# Altium PCB 10515.0461_全联供输出板(2拼版)_V1.0.PcbDoc (part 2 of 9)
Units mm, origin at the board's own origin, x right, y up, seen from the top; angles counter-clockwise.
Board outline 283.88 x 134.8 mm, 2 copper layers (Top Layer, Bottom Layer); 298 components, 0 nets, 1264 pads, 970 vias.
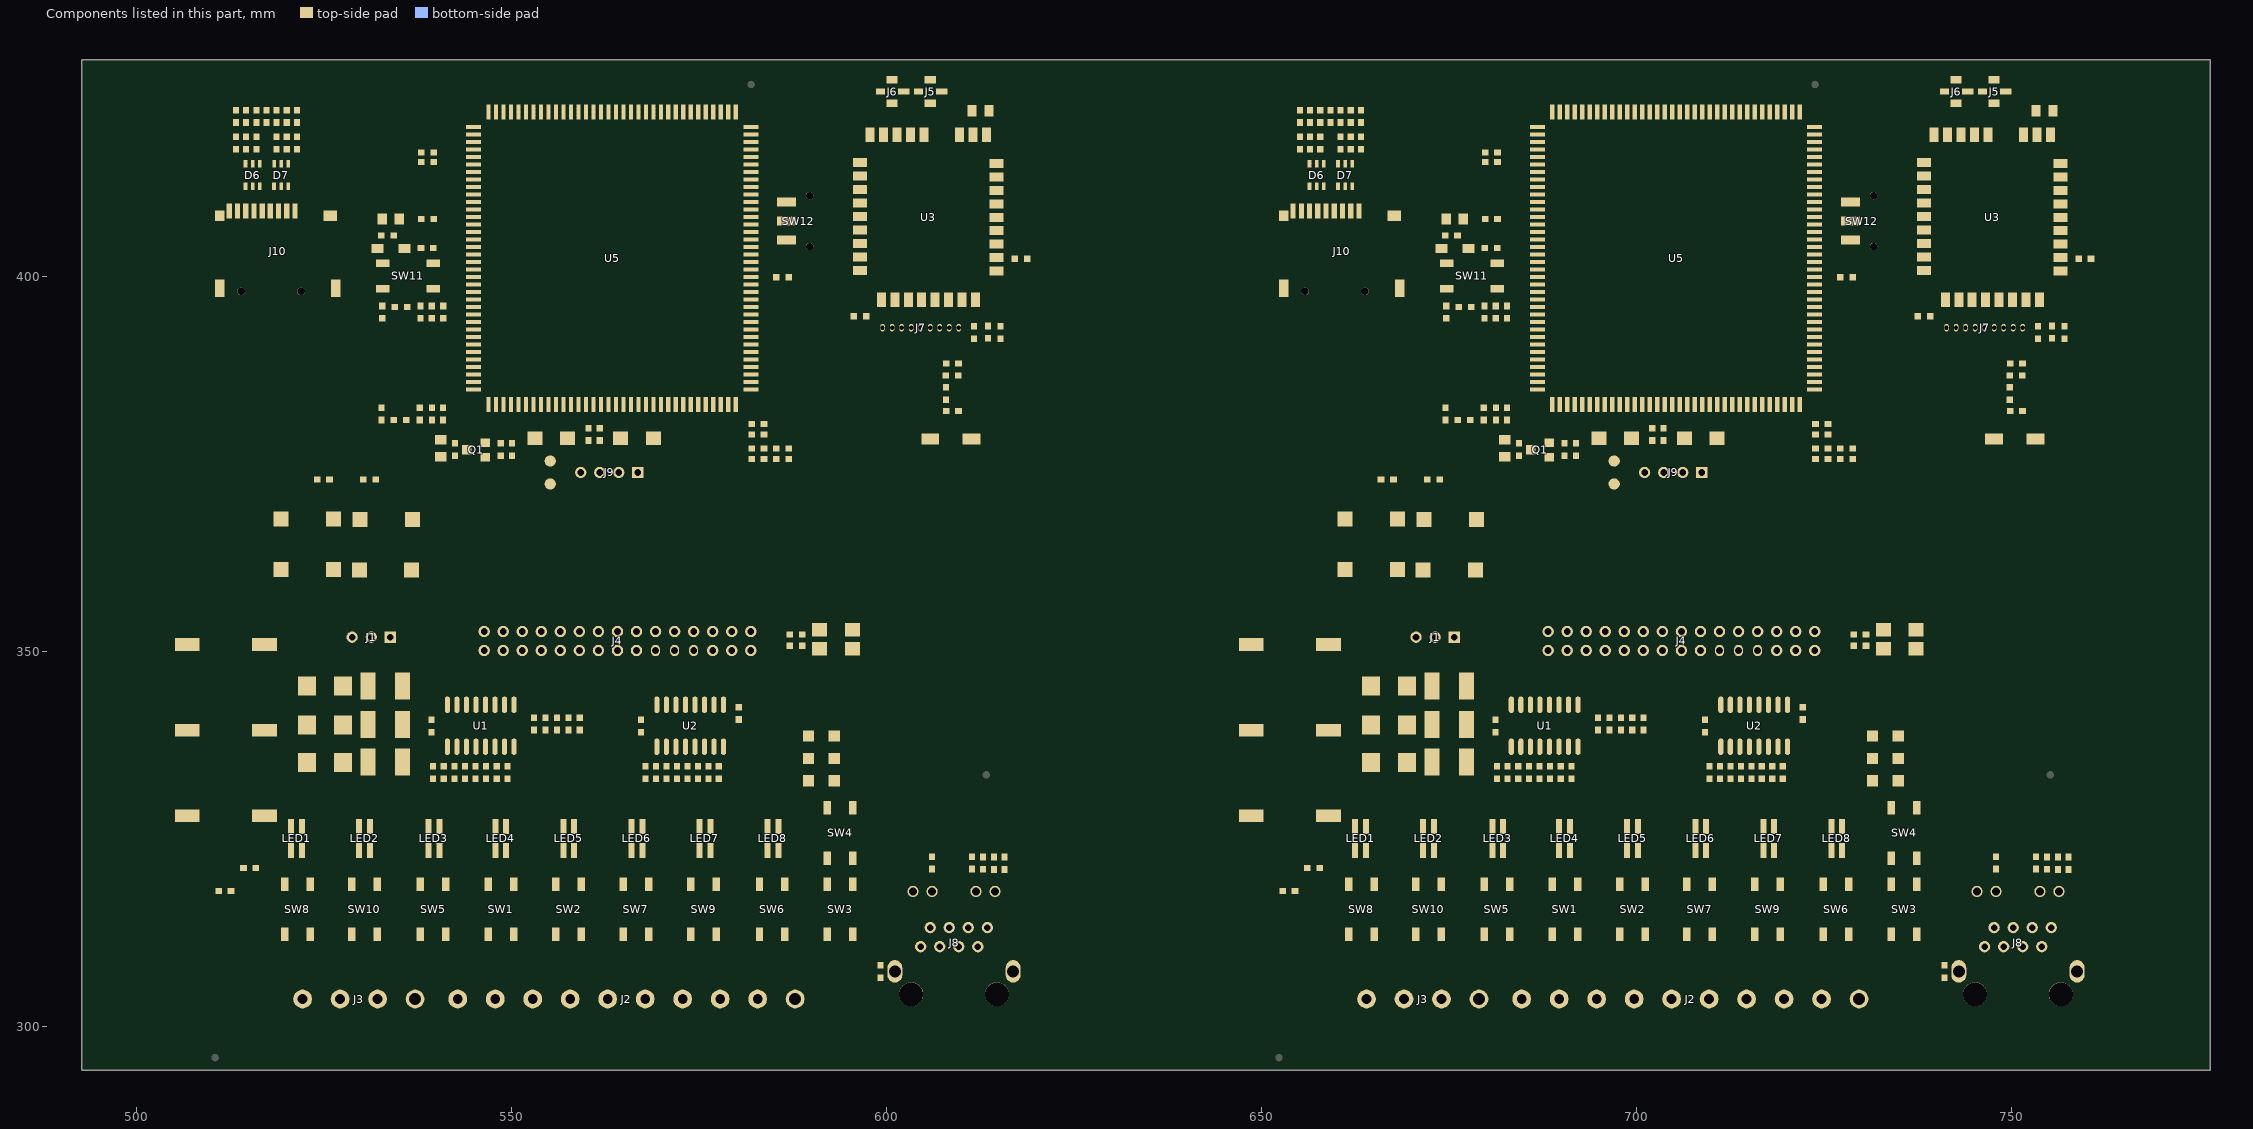
[diagram p2: the components of this part, seen from the top]

## Via types
v1: diameter 0.7, hole 0.4, Top Layer to Bottom Layer, tented both sides, 970 vias

## Nets (pads, with @x,y where several pads share a name; then routed paths per layer and width w, separated by ;. In a path a pad name is that pad's centre, name@x,y a point inside that pad or via, vN(x,y) a via of type N, cw(c..) or ccw(c..) an arc to the next point about the centre after c; other vN are vias at no path point) (continued)
copper on no net: (continued)
  Top Layer w0.3: 512.154,409.49 ccw(c511.813,409.831) 512.296,409.831 ccw(c512.779,409.831) 512.437,409.49 ; 512.296,408.698 512.296,414.58 512.699,414.983 514.482,414.983 v1@514.482,415.867 ; 513.026,418.822 ccw(c512.588,419.26) 513.207,419.26 ccw(c513.826,419.26) 513.388,418.822 ; 513.026,420.288 cw(c512.588,419.85) 513.207,419.85 cw(c513.826,419.85) 513.388,420.288 ; 513.026,422.378 ccw(c512.588,422.816) 513.207,422.816 ccw(c513.826,422.816) 513.388,422.378 ; v1@513.066,419.414 cw(c512.724,419.072) 513.207,419.072 cw(c513.69,419.072) v1@513.348,419.414 ; v1@513.066,419.696 ccw(c512.724,420.038) 513.207,420.038 ccw(c513.69,420.038) v1@513.348,419.696 ; 513.207,416.952 515.916,416.952 518.626,416.952 521.335,416.952 521.525,416.952 521.97,416.507 v1(521.97,410.538) ; 513.207,418.603 513.207,420.508 ; 513.207,422.159 513.207,425.143 v1(513.461,425.397) ; 513.207,424.301 cw(c514.557,424.301) v1@513.602,425.256 ; 513.207,425.025 cw(c513.833,425.025) v1@513.39,425.468 ; 513.258,409.49 ccw(c512.917,409.831) 513.4,409.831 ccw(c513.882,409.831) 513.541,409.49 ; 513.388,416.77 cw(c513.826,416.332) 513.826,416.952 cw(c513.826,417.571) 513.388,417.133 ; 513.4,408.698 513.4,413.398 513.842,413.84 516.128,413.84 516.382,414.094 516.382,414.983 v1@516.382,415.872 ; v1@514.209,412.81 cw(c513.561,412.162) 514.477,412.162 ; v1@514.214,415.726 cw(c513.566,415.078) 514.482,415.078 ; 514.356,409.49 ccw(c514.015,409.831) 514.498,409.831 ccw(c514.98,409.831) 514.639,409.49 ; 514.38,416.77 ccw(c513.943,416.332) 513.943,416.952 ccw(c513.943,417.571) 514.38,417.133 ; 514.38,418.822 ccw(c513.943,419.26) 514.562,419.26 ccw(c515.181,419.26) 514.743,418.822 ; 514.38,420.288 cw(c513.943,419.85) 514.562,419.85 cw(c515.181,419.85) 514.743,420.288 ; 514.38,422.378 ccw(c513.84,422.918) 514.604,422.918 ; 514.406,411.662 cw(c514.186,411.442) 514.498,411.442 ; v1@514.42,419.414 cw(c514.079,419.072) 514.562,419.072 cw(c515.045,419.072) v1@514.703,419.414 ; v1@514.42,419.696 ccw(c514.079,420.038) 514.562,420.038 ccw(c515.045,420.038) v1@514.703,419.696 ; 514.477,411.983 v1@514.477,412.951 ; 514.498,408.698 514.498,411.835 ; 514.562,418.603 514.562,420.508 ; 514.604,422.201 514.604,423.407 514.604,426.286 515.196,426.878 562.272,426.878 v1(562.737,426.413) ; 514.604,422.713 ccw(c515.078,422.713) 514.743,422.378 ; 514.743,416.77 cw(c515.181,416.332) 515.181,416.952 cw(c515.181,417.571) 514.743,417.133 ; v1@514.971,406.742 ccw(c513.465,408.248) 515.594,408.248 ; v1@515.183,406.53 ccw(c514.19,407.523) 515.594,407.523 ; v1@515.186,415.726 cw(c514.591,415.131) 515.432,415.131 ; 515.395,406.318 ccw(c514.914,406.799) 515.594,406.799 ; 515.432,411.983 515.432,410.853 515.681,410.604 ; 515.432,414.983 v1@515.432,415.811 ; 515.453,407.907 cw(c515.111,407.565) 515.594,407.565 cw(c516.077,407.565) 515.736,407.907 ; 515.594,406.601 515.594,408.698 515.594,409.548 ; 515.735,416.77 ccw(c515.297,416.332) 515.297,416.952 ccw(c515.297,417.571) 515.735,417.133 ; 515.735,418.822 ccw(c515.297,419.26) 515.916,419.26 ccw(c516.535,419.26) 516.098,418.822 ; 515.735,420.288 cw(c515.297,419.85) 515.916,419.85 cw(c516.535,419.85) 516.098,420.288 ; 515.735,422.378 ccw(c515.297,422.816) 515.916,422.816 ccw(c516.535,422.816) 516.098,422.378 ; v1@515.775,419.414 cw(c515.433,419.072) 515.916,419.072 cw(c516.399,419.072) v1@516.058,419.414 ; v1@515.775,419.696 ccw(c515.433,420.038) 515.916,420.038 ccw(c516.399,420.038) v1@516.058,419.696 ; v1@515.904,410.489 ccw(c515.681,410.332) 515.681,410.604 ; v1@515.904,410.719 cw(c515.681,410.876) 515.681,410.604 ; 515.916,418.603 515.916,420.508 ; 515.916,422.159 515.916,425.947 516.293,426.324 561.556,426.324 562.865,425.015 562.865,421.91 ; v1@515.94,410.604 515.681,410.604 ; 516.098,416.77 cw(c516.535,416.332) 516.535,416.952 cw(c516.535,417.571) 516.098,417.133 ; v1@516.158,415.726 cw(c515.616,415.184) 516.382,415.184 ; 516.382,411.983 516.946,411.983 ; 516.551,409.49 ccw(c515.596,410.444) 516.946,410.444 ; 516.763,409.277 ccw(c516.321,409.72) 516.946,409.72 ; 516.946,408.698 516.946,411.983 ; 517.09,420.288 cw(c516.652,419.85) 517.271,419.85 cw(c517.89,419.85) 517.452,420.288 ; 517.09,422.378 ccw(c516.652,422.816) 517.271,422.816 ccw(c517.89,422.816) 517.452,422.378 ; v1@517.13,415.726 cw(c516.788,415.384) 517.271,415.384 cw(c517.754,415.384) v1@517.412,415.726 ; v1@517.13,418.045 ccw(c516.788,418.387) 517.271,418.387 ccw(c517.754,418.387) v1@517.412,418.045 ; v1(517.144,425.397) 517.517,425.77 560.713,425.77 561.865,424.618 561.865,421.91 ; v1@517.144,425.597 ccw(c517.144,426.08) 517.485,425.738 ccw(c517.827,425.397) v1@517.344,425.397 ; v1@517.271,415.872 517.271,412.308 516.946,411.983 ; v1(517.271,417.904) 517.271,420.508 ; 517.271,422.159 517.271,423.492 518.033,424.254 559.484,424.254 559.865,423.873 559.865,421.91 ; 517.652,408.837 v1@517.652,410.538 ; 517.652,409.815 cw(c518.568,409.815) v1@517.92,410.463 ; 517.652,410.167 ccw(c518.61,410.167) 517.933,409.49 ; v1@518.146,413.699 cw(c517.804,413.357) 518.287,413.357 cw(c518.77,413.357) v1@518.428,413.699 ; 518.216,411.662 cw(c517.432,410.878) 518.541,410.878 ; v1(518.287,413.84) 518.287,411.983 518.541,411.729 518.541,410.157 518.891,409.807 ; 518.428,411.874 cw(c518.157,411.603) 518.541,411.603 ; 518.444,416.77 ccw(c518.007,416.332) 518.007,416.952 ccw(c518.007,417.571) 518.444,417.133 ; 518.444,418.822 ccw(c518.007,419.26) 518.626,419.26 ccw(c519.245,419.26) 518.807,418.822 ; 518.444,420.288 cw(c518.007,419.85) 518.626,419.85 cw(c519.245,419.85) 518.807,420.288 ; 518.444,422.378 ccw(c518.007,422.816) 518.626,422.816 ccw(c519.245,422.816) 518.807,422.378 ; v1@518.484,419.414 cw(c518.143,419.072) 518.626,419.072 cw(c519.109,419.072) v1@518.767,419.414 ; v1@518.484,419.696 ccw(c518.143,420.038) 518.626,420.038 ccw(c519.109,420.038) v1@518.767,419.696 ; v1@518.484,423.266 cw(c518.143,422.924) 518.626,422.924 cw(c519.109,422.924) v1@518.767,423.266 ; 518.626,418.603 518.626,420.508 ; 518.626,422.159 v1(518.626,423.407) ; 518.754,409.495 ccw(c518.463,409.807) 518.891,409.807 ; 518.774,409.924 cw(c518.246,409.397) 518.99,409.341 ; 518.807,416.77 cw(c519.245,416.332) 519.245,416.952 cw(c519.245,417.571) 518.807,417.133 ; 518.891,408.698 518.891,409.807 ; 519.027,409.495 cw(c519.318,409.807) 518.891,409.807 ; v1@519.035,413.346 ccw(c518.534,413.847) 519.242,413.847 ; v1(519.049,425.016) 560.197,425.016 560.865,424.348 560.865,421.91 ; v1@519.19,424.875 cw(c519.532,424.533) 519.532,425.016 cw(c519.532,425.499) v1@519.19,425.157 ; v1@519.242,410.604 519.242,411.983 ; 519.242,411.168 ccw(c519.933,411.168) v1@519.444,410.679 ; v1@519.242,413.271 519.242,414.983 ; 519.799,416.77 ccw(c519.361,416.332) 519.361,416.952 ccw(c519.361,417.571) 519.799,417.133 ; 519.799,418.822 ccw(c519.361,419.26) 519.98,419.26 ccw(c520.599,419.26) 520.162,418.822 ; 519.799,420.288 cw(c519.361,419.85) 519.98,419.85 cw(c520.599,419.85) 520.162,420.288 ; 519.799,422.378 ccw(c519.361,422.816) 519.98,422.816 ccw(c520.599,422.816) 520.162,422.378 ; v1@519.839,419.414 cw(c519.497,419.072) 519.98,419.072 cw(c520.463,419.072) v1@520.122,419.414 ; v1@519.839,419.696 ccw(c519.497,420.038) 519.98,420.038 ccw(c520.463,420.038) v1@520.122,419.696 ; v1@519.839,423.308 cw(c519.497,422.967) 519.98,422.967 cw(c520.463,422.967) v1@520.122,423.308 ; 519.846,409.488 ccw(c519.009,410.324) 520.192,410.324 ; 519.98,418.603 519.98,420.508 ; 519.98,422.159 v1(519.98,423.45) ; 519.987,408.696 519.987,409.444 520.192,409.649 520.192,411.983 v1(520.192,413.586) ; v1@520.051,413.445 cw(c519.709,413.103) 520.192,413.103 cw(c520.675,413.103) v1@520.333,413.445 ; v1@520.051,415.731 cw(c519.709,415.389) 520.192,415.389 cw(c520.675,415.389) v1@520.333,415.731 ; 520.162,416.77 cw(c520.599,416.332) 520.599,416.952 cw(c520.599,417.571) 520.162,417.133 ; 520.192,414.633 cw(c520.192,413.788) 520.789,414.386 ; v1(520.192,415.872) 520.192,414.983 521.087,414.088 521.087,408.698 ; 520.396,327.393 ccw(c519.969,327.82) 520.573,327.82 ccw(c521.177,327.82) 520.75,327.393 ; 520.573,326.235 520.573,330.782 521.265,331.474 539.172,331.474 539.496,331.798 539.496,333.005 ; v1(520.573,427.683) 520.692,427.564 562.729,427.564 563.865,426.428 563.865,421.91 ; v1@520.714,427.824 ccw(c521.343,428.453) 521.343,427.564 ; 520.945,409.49 ccw(c520.604,409.831) 521.087,409.831 ccw(c521.569,409.831) 521.228,409.49 ; 521.154,416.77 ccw(c520.716,416.332) 520.716,416.952 ccw(c520.716,417.571) 521.154,417.133 ; 521.154,418.822 ccw(c520.716,419.26) 521.335,419.26 ccw(c521.954,419.26) 521.516,418.822 ; 521.154,420.288 cw(c520.716,419.85) 521.335,419.85 cw(c521.954,419.85) 521.516,420.288 ; 521.154,422.378 ccw(c520.716,422.816) 521.335,422.816 ccw(c521.954,422.816) 521.516,422.378 ; v1@521.194,419.414 cw(c520.852,419.072) 521.335,419.072 cw(c521.818,419.072) v1@521.476,419.414 ; v1@521.194,419.696 ccw(c520.852,420.038) 521.335,420.038 ccw(c521.818,420.038) v1@521.476,419.696 ; v1@521.194,423.351 cw(c520.852,423.009) 521.335,423.009 cw(c521.818,423.009) v1@521.476,423.351 ; 521.335,418.603 521.335,420.508 ; 521.335,422.159 v1(521.335,423.492) ; v1@521.829,410.679 ccw(c521.487,411.021) 521.97,411.021 ccw(c522.453,411.021) v1@522.111,410.679 ; 521.856,327.368 ccw(c521.429,327.795) 522.033,327.795 ccw(c522.637,327.795) 522.21,327.368 ; v1(521.97,428.318) 563.499,428.318 564.865,426.952 564.865,421.91 ; 522.033,326.21 522.033,330.21 522.743,330.92 540.65,330.92 540.911,331.181 540.911,333.005 ; 523.086,312.243 v1(526.923,312.243) ; 523.333,311.995 cw(c523.931,311.398) 523.931,312.243 cw(c523.931,313.088) 523.333,312.49 ; v1@526.782,312.101 ccw(c526.44,311.76) 526.44,312.243 ccw(c526.44,312.726) v1@526.782,312.384 ; 528.125,309.192 528.633,309.7 ; 528.385,311.595 cw(c527.788,310.998) 528.633,310.998 cw(c529.478,310.998) 528.88,311.595 ; 528.385,319.59 ccw(c527.788,320.188) 528.633,320.188 ccw(c529.478,320.188) 528.88,319.59 ; v1@528.492,320.286 cw(c528.15,319.944) 528.633,319.944 cw(c529.116,319.944) v1@528.774,320.286 ; 528.633,309.26 528.633,309.7 ; 528.633,312.243 528.633,309.7 ; 528.633,318.943 v1(528.633,320.427) ; 529.082,309.251 528.633,309.7 ; 529.468,327.393 ccw(c529.041,327.82) 529.644,327.82 ccw(c530.248,327.82) 529.821,327.393 ; 529.644,326.235 529.644,329.82 530.19,330.366 542.001,330.366 542.326,330.691 542.326,333.005 ; 530.928,327.368 ccw(c530.501,327.795) 531.104,327.795 ccw(c531.708,327.795) 531.281,327.368 ; 531.104,326.21 531.104,329.248 531.668,329.812 543.352,329.812 543.741,330.201 543.741,333.005 ; 531.785,319.59 ccw(c531.188,320.188) 532.033,320.188 ccw(c532.878,320.188) 532.28,319.59 ; 532.033,318.943 532.033,321.541 532.476,321.984 550.129,321.984 550.488,322.343 550.488,334.916 551.688,336.116 561.086,336.116 561.459,336.489 561.459,346.608 561.546,346.695 561.546,350.086 ; v1(533.146,321.003) 533.573,321.43 550.358,321.43 551.042,322.114 551.042,334.2 552.069,335.227 561.467,335.227 562.013,335.773 562.013,346.378 562.864,347.229 562.864,351.404 564.086,352.626 ; v1@533.146,321.203 ccw(c533.146,321.686) 533.487,321.344 ccw(c533.829,321.003) v1@533.346,321.003 ; v1(533.4,312.243) 537.783,312.243 ; v1@533.541,312.101 cw(c533.883,311.76) 533.883,312.243 cw(c533.883,312.726) v1@533.541,312.384 ; 537.536,311.995 ccw(c536.938,311.398) 536.938,312.243 ccw(c536.938,313.088) 537.536,312.49 ; 537.689,403.938 ccw(c537.251,404.376) 537.87,404.376 ccw(c538.489,404.376) 538.052,403.938 ; 537.727,415.056 cw(c537.289,414.618) 537.909,414.618 cw(c538.528,414.618) 538.09,415.056 ; 537.727,415.418 ccw(c537.289,415.856) 537.909,415.856 ccw(c538.528,415.856) 538.09,415.418 ; 537.727,416.326 cw(c537.289,415.888) 537.909,415.888 cw(c538.528,415.888) 538.09,416.326 ; 537.783,319.544 539.115,320.876 550.672,320.876 551.596,321.8 551.596,333.484 552.577,334.465 561.848,334.465 562.567,335.184 562.567,346.149 564.086,347.668 564.086,350.086 ; 537.783,319.693 ccw(c537.783,320.051) 538.037,319.798 ; 537.87,403.757 537.87,405.61 538.17,405.91 544.865,405.91 ; 537.909,416.507 537.909,414.158 538.226,413.84 540.766,413.84 541.836,414.91 544.865,414.91 546.427,414.91 546.735,414.602 546.735,385.91 ; 538.133,319.343 cw(c539.465,319.343) 538.523,320.284 ; 538.716,326.616 538.716,328.859 539.115,329.258 544.703,329.258 545.157,329.712 545.157,333.005 ; 538.716,328.17 ccw(c539.815,328.17) 539.038,327.393 ; 539.315,332.785 cw(c538.877,332.347) 539.496,332.347 cw(c540.115,332.347) 539.677,332.785 ; 539.336,334.894 ccw(c539.069,335.227) 539.496,335.227 ; 539.34,403.938 ccw(c538.902,404.376) 539.521,404.376 ccw(c540.14,404.376) 539.703,403.938 ; 539.452,334.694 cw(c540.635,334.694) 539.799,335.53 ; 539.496,334.656 539.496,335.227 ; 539.521,403.757 539.521,404.467 539.964,404.91 544.865,404.91 546.648,404.91 ; 539.559,407.617 540.267,406.91 544.865,406.91 ; 539.559,415.237 540.639,415.237 541.312,415.91 544.865,415.91 ; 539.559,416.507 539.962,416.91 544.865,416.91 ; 539.567,416.538 cw(c540.465,415.639) 540.465,416.91 ; 539.598,407.361 cw(c539.598,406.834) 539.97,407.206 ; 539.656,334.894 cw(c539.923,335.227) 539.496,335.227 ; 539.752,334.694 cw(c541.659,334.694) 540.311,336.042 ; 539.779,415.056 cw(c540.217,414.618) 540.217,415.237 cw(c540.217,415.856) 539.779,415.418 ; 539.779,416.326 cw(c541.19,414.915) 541.19,416.91 ; 539.854,407.617 ccw(c540.565,407.617) 540.062,407.114 ; 540.176,326.591 540.176,328.287 540.512,328.623 546.1,328.623 546.572,329.095 546.572,333.005 ; 540.176,328.145 ccw(c541.275,328.145) 540.498,327.368 ; 540.73,332.785 cw(c540.292,332.347) 540.911,332.347 cw(c541.53,332.347) 541.092,332.785 ; 540.73,334.875 ccw(c539.11,336.495) 541.401,336.495 ; 540.911,334.656 541.401,335.145 ; 540.916,334.95 ccw(c540.929,335.617) 541.401,335.145 ; 540.942,334.663 ccw(c539.834,335.771) 541.401,335.771 ; 541.154,334.451 ccw(c540.558,335.047) 541.401,335.047 ; 541.168,334.694 cw(c541.695,334.694) 541.322,335.066 ; 541.183,312.243 546.832,312.243 ; 541.26,336.368 cw(c540.918,336.026) 541.401,336.026 cw(c541.884,336.026) 541.542,336.368 ; 541.401,337.259 541.401,335.145 ; 541.431,311.995 cw(c542.028,311.398) 542.028,312.243 cw(c542.028,313.088) 541.431,312.49 ; 542.145,332.785 cw(c541.707,332.347) 542.326,332.347 cw(c542.945,332.347) 542.508,332.785 ; 542.145,334.875 ccw(c540.875,336.145) 542.671,336.145 ; 542.326,334.656 542.671,335 542.671,337.259 ; 542.357,334.663 ccw(c541.599,335.421) 542.671,335.421 ; 542.53,336.368 cw(c542.188,336.026) 542.671,336.026 cw(c543.154,336.026) 542.812,336.368 ; 542.53,341.956 cw(c542.188,341.614) 542.671,341.614 cw(c543.154,341.614) 542.812,341.956 ; 542.671,342.847 542.671,340.561 540.385,338.275 540.385,336.116 539.496,335.227 ; 543.56,332.785 cw(c543.122,332.347) 543.741,332.347 cw(c544.36,332.347) 543.923,332.785 ; 543.56,334.875 ccw(c542.641,335.794) 543.941,335.794 ; 543.772,334.663 ccw(c543.365,335.07) 543.941,335.07 ; 543.8,336.368 cw(c543.458,336.026) 543.941,336.026 cw(c544.424,336.026) 544.082,336.368 ; 543.941,334.855 543.941,337.259 ; 544.052,404.822 ccw(c543.838,404.608) 543.838,404.91 ccw(c543.838,405.212) 544.052,404.998 ; 544.052,405.822 ccw(c543.838,405.608) 543.838,405.91 ccw(c543.838,406.212) 544.052,405.998 ; 544.052,406.822 ccw(c543.838,406.608) 543.838,406.91 ccw(c543.838,407.212) 544.052,406.998 ; 544.052,414.822 ccw(c543.838,414.608) 543.838,414.91 ccw(c543.838,415.212) 544.052,414.998 ; 544.052,415.822 ccw(c543.838,415.608) 543.838,415.91 ccw(c543.838,416.212) 544.052,415.998 ; 544.052,416.822 ccw(c543.838,416.608) 543.838,416.91 ccw(c543.838,417.212) 544.052,416.998 ; v1@544.576,382.471 544.576,383.36 ; 544.576,383.233 544.576,383.36 ; 544.576,383.911 cw(c545.864,383.911) 544.953,384.822 ccw(c545.167,384.608) 544.865,384.608 ccw(c544.563,384.608) 544.777,384.822 ; 544.576,384.635 cw(c545.14,384.635) 544.741,385.034 ; 544.636,384.69 cw(c544.865,384.461) 544.865,384.785 ; v1@544.647,382.527 ccw(c544.12,383.054) 544.865,383.054 ; 544.658,384.712 ccw(c544.46,384.91) 544.74,384.91 ; v1@544.703,382.471 544.865,382.633 544.865,384.91 ; v1@544.717,382.739 cw(c545.059,383.081) 544.576,383.081 cw(c544.093,383.081) 544.435,382.739 ccw(c543.395,383.779) 544.865,383.779 ; 544.865,385.91 546.735,385.91 ; 544.865,388.91 546.697,388.91 ; 544.865,391.91 546.694,391.91 ; 544.865,394.91 546.728,394.91 ; 544.865,397.91 546.663,397.91 ; 544.975,332.785 cw(c544.538,332.347) 545.157,332.347 cw(c545.776,332.347) 545.338,332.785 ; 544.975,334.875 ccw(c544.406,335.444) 545.211,335.444 ; 545.07,336.368 cw(c544.728,336.026) 545.211,336.026 cw(c545.694,336.026) 545.352,336.368 ; 545.211,334.71 545.211,337.259 ; 545.211,335.181 ccw(c545.644,335.181) 545.338,334.875 ; 545.678,384.822 cw(c545.892,384.608) 545.892,384.91 cw(c545.892,385.212) 545.678,384.998 ; 545.678,385.822 cw(c545.892,385.608) 545.892,385.91 cw(c545.892,386.212) 545.678,385.998 ; 545.678,388.822 cw(c545.892,388.608) 545.892,388.91 cw(c545.892,389.212) 545.678,388.998 ; 545.678,391.822 cw(c545.892,391.608) 545.892,391.91 cw(c545.892,392.212) 545.678,391.998 ; 545.678,394.822 cw(c545.892,394.608) 545.892,394.91 cw(c545.892,395.212) 545.678,394.998 ; 545.678,397.822 cw(c545.892,397.608) 545.892,397.91 cw(c545.892,398.212) 545.678,397.998 ; 545.678,404.822 cw(c545.892,404.608) 545.892,404.91 cw(c545.892,405.212) 545.678,404.998 ; 545.678,414.822 cw(c545.892,414.608) 545.892,414.91 cw(c545.892,415.212) 545.678,414.998 ; 546.34,336.368 cw(c545.998,336.026) 546.481,336.026 cw(c546.964,336.026) 546.622,336.368 ; 546.34,343.738 ccw(c545.998,344.08) 546.481,344.08 ccw(c546.964,344.08) 546.622,343.738 ; v1@546.34,344.23 cw(c545.998,343.888) 546.481,343.888 cw(c546.964,343.888) v1@546.622,344.23 ; 546.354,380.82 546.862,381.328 546.862,381.455 ; 546.39,332.785 cw(c545.953,332.347) 546.572,332.347 cw(c547.191,332.347) 546.753,332.785 ; 546.39,334.875 ccw(c546.172,335.094) 546.481,335.094 ; 546.481,334.746 546.481,337.259 ; 546.481,335.532 ccw(c547.41,335.532) 546.753,334.875 ; 546.481,342.847 v1(546.481,344.371) ; 546.585,311.995 ccw(c545.987,311.398) 545.987,312.243 ccw(c545.987,313.088) 546.585,312.49 ; 546.777,382.097 cw(c546.57,381.89) 546.862,381.89 ; 546.832,318.943 546.832,319.322 547.832,320.322 551.007,320.322 552.15,321.465 552.15,333.149 552.577,333.576 556.26,333.576 561.975,333.576 563.121,334.722 563.121,345.919 565.252,348.05 565.252,351.252 566.626,352.626 ; 546.832,319.693 ccw(c546.832,320.588) 547.465,319.955 ; 546.862,381.201 546.862,381.455 ; 546.862,381.876 cw(c547.174,381.876) 546.953,382.097 ; 546.865,382.91 546.862,382.907 546.862,381.455 ; 546.875,381.214 547.865,381.214 ; 547.182,319.343 cw(c547.977,319.343) 547.415,319.905 ; 547.611,327.393 ccw(c546.702,328.301) 547.987,328.301 ; 547.61,336.368 cw(c547.268,336.026) 547.751,336.026 cw(c548.234,336.026) 547.892,336.368 ; 547.61,343.738 ccw(c547.268,344.08) 547.751,344.08 ccw(c548.234,344.08) 547.892,343.738 ; 547.751,334.891 547.751,337.259 ; 547.751,335.158 ccw(c548.451,335.158) 547.956,334.663 ; 547.751,335.882 ccw(c549.175,335.882) 548.168,334.875 ; 547.751,342.847 547.751,344.752 v1(548.259,345.26) ; 547.787,327.317 547.787,326.616 547.987,326.816 547.987,333.005 ; 547.806,332.785 cw(c547.368,332.347) 547.987,332.347 cw(c548.606,332.347) 548.168,332.785 ; 547.823,327.181 ccw(c547.426,327.577) 547.987,327.577 ; 547.865,380.82 547.963,380.722 548.865,380.722 548.865,382.91 ; v1@548.059,345.26 cw(c547.576,345.26) 547.918,344.919 cw(c548.259,344.577) v1@548.259,345.06 ; v1@548.626,385.769 ccw(c548.284,385.427) 548.284,385.91 ccw(c548.284,386.393) v1@548.626,386.051 ; 548.777,382.097 cw(c548.563,381.883) 548.865,381.883 cw(c549.167,381.883) 548.953,382.097 ; 548.88,336.368 cw(c548.538,336.026) 549.021,336.026 cw(c549.504,336.026) 549.162,336.368 ; v1@548.908,385.769 cw(c549.25,385.427) 549.25,385.91 cw(c549.25,386.393) v1@548.908,386.051 ; 549.021,335.036 549.021,337.259 ; 549.021,335.508 ccw(c550.217,335.508) 549.371,334.663 ; 549.021,336.232 ccw(c550.941,336.232) 549.583,334.875 ; 549.071,327.368 ccw(c548.27,328.168) 549.402,328.168 ; 549.221,332.785 cw(c548.783,332.347) 549.402,332.347 cw(c550.021,332.347) 549.583,332.785 ; 549.247,327.254 549.247,326.591 549.402,326.746 549.402,333.005 ; 550.232,312.243 555.881,312.243 555.881,311.73 ; 550.232,318.531 552.704,321.003 552.704,332.433 553.085,332.814 562.483,332.814 563.675,334.006 563.675,345.69 566.626,348.641 566.626,350.086 ; 550.48,311.995 cw(c551.077,311.398) 551.077,312.243 cw(c551.077,313.088) 550.48,312.49 ; v1@551.547,313.143 ccw(c551.205,313.485) 551.688,313.485 ccw(c552.171,313.485) v1@551.829,313.143 ; v1(551.688,313.002) 551.688,319.204 553.258,320.774 553.258,331.463 553.855,332.06 563.126,332.06 564.229,333.163 564.229,345.461 567.817,349.049 567.817,353.515 567.428,353.904 562.618,353.904 ; v1@552.436,313.651 ccw(c552.094,313.993) 552.577,313.993 ccw(c553.06,313.993) v1@552.718,313.651 ; v1@552.577,313.637 552.577,319.309 553.863,320.595 553.863,330.925 554.444,331.506 563.588,331.506 564.783,332.701 564.783,345.231 567.398,347.846 571.292,347.846 571.706,348.26 571.706,350.086 ; 552.777,339.262 cw(c552.339,338.824) 552.958,338.824 cw(c553.577,338.824) 553.139,339.262 ; 552.958,336.116 552.958,339.482 ; 553.06,378.407 553.06,378.661 ; v1@553.452,313.143 ccw(c553.11,313.485) 553.593,313.485 ccw(c554.076,313.485) v1@553.734,313.143 ; v1@553.452,385.769 ccw(c553.11,385.427) 553.11,385.91 ccw(c553.11,386.393) v1@553.452,386.051 ; v1(553.593,313.002) 553.593,319.542 554.482,320.431 554.482,330.346 555.088,330.952 564.05,330.952 565.337,332.239 565.337,345.002 567.627,347.292 577.469,347.292 578.104,347.927 578.104,351.308 576.786,352.626 ; v1@553.734,385.769 cw(c554.076,385.427) 554.076,385.91 cw(c554.076,386.393) v1@553.734,386.051 ; 554.301,339.262 cw(c553.863,338.824) 554.482,338.824 cw(c555.101,338.824) 554.663,339.262 ; v1@554.341,313.651 ccw(c553.999,313.993) 554.482,313.993 ccw(c554.965,313.993) v1@554.623,313.651 ; v1@554.341,335.086 ccw(c553.999,334.744) 553.999,335.227 ccw(c553.999,335.71) v1@554.341,335.368 ; v1@554.341,338.416 ccw(c553.999,338.758) 554.482,338.758 ccw(c554.965,338.758) v1@554.623,338.416 ; v1@554.482,313.637 554.482,319.606 555.102,320.226 555.102,329.57 555.93,330.398 564.893,330.398 565.891,331.396 565.891,344.772 567.857,346.738 578.439,346.738 579.326,347.625 579.326,350.086 ; v1(554.482,338.275) 554.482,339.482 ; v1@554.623,335.086 cw(c554.965,334.744) 554.965,335.227 cw(c554.965,335.71) v1@554.623,335.368 ; 555.117,372.438 561.467,372.438 561.721,372.692 ; 555.117,375.359 556.895,375.359 557.428,375.892 557.428,378.09 ; 555.329,372.099 cw(c556.148,371.28) 556.148,372.438 ; 555.541,371.887 cw(c556.872,370.556) 556.872,372.438 ; 555.541,372.735 ccw(c556.259,373.453) 556.259,372.438 ; 555.541,374.935 cw(c556.566,373.91) 556.566,375.359 cw(c556.566,376.808) 555.541,375.783 ; 555.633,311.995 ccw(c555.036,311.398) 555.036,312.243 ccw(c555.036,313.088) 555.633,312.49 ; 555.825,339.262 cw(c555.387,338.824) 556.006,338.824 cw(c556.625,338.824) 556.187,339.262 ; v1@555.865,334.324 ccw(c555.523,333.982) 555.523,334.465 ccw(c555.523,334.948) v1@555.865,334.606 ; v1@555.865,338.416 ccw(c555.523,338.758) 556.006,338.758 ccw(c556.489,338.758) v1@556.147,338.416 ; 555.881,318.943 555.881,319.35 ; v1(556.006,338.275) 556.006,339.482 ; v1@556.147,334.324 cw(c556.489,333.982) 556.489,334.465 cw(c556.489,334.948) v1@556.147,334.606 ; 556.466,352.626 559.006,352.626 ; 556.682,327.393 ccw(c556.255,327.82) 556.859,327.82 ccw(c557.462,327.82) 557.035,327.393 ; 556.725,385.91 ccw(c556.725,386.489) v1@557.135,386.08 ; 556.859,326.235 556.859,326.616 556.859,329.603 557.1,329.844 566.879,329.844 567.817,330.782 567.817,333.005 ; 556.861,385.91 cw(c556.861,385.523) v1@557.135,385.797 ; v1(556.895,314.272) 558.8,314.272 ; 556.898,377.877 cw(c555.617,376.596) 557.428,376.596 cw(c559.239,376.596) 557.958,377.877 ; 556.899,352.193 cw(c557.943,351.149) 557.943,352.626 cw(c557.943,354.104) 556.899,353.059 ; v1@557.036,314.131 cw(c557.378,313.789) 557.378,314.272 cw(c557.378,314.755) v1@557.036,314.413 ; 557.11,378.089 cw(c556.342,377.321) 557.428,377.321 cw(c558.514,377.321) 557.746,378.089 ; 557.349,339.262 cw(c556.911,338.824) 557.53,338.824 cw(c558.149,338.824) 557.711,339.262 ; v1@557.389,333.435 ccw(c557.047,333.093) 557.047,333.576 ccw(c557.047,334.059) v1@557.389,333.717 ; v1@557.389,338.416 ccw(c557.047,338.758) 557.53,338.758 ccw(c558.013,338.758) v1@557.671,338.416 ; v1@557.417,385.797 cw(c557.691,385.523) 557.691,385.91 ; v1@557.417,386.08 ccw(c557.827,386.489) 557.827,385.91 ; v1(557.53,338.275) 557.53,339.482 ; v1@557.671,333.435 cw(c558.013,333.093) 558.013,333.576 cw(c558.013,334.059) v1@557.671,333.717 ; 558.142,327.368 ccw(c557.715,327.795) 558.319,327.795 ccw(c558.922,327.795) 558.495,327.368 ; 558.319,326.21 558.319,326.591 558.319,329.071 558.538,329.29 568.484,329.29 569.214,330.02 569.214,333.005 ; 558.573,352.193 ccw(c557.528,351.149) 557.528,352.626 ccw(c557.528,354.104) 558.573,353.059 ; 558.777,421.097 cw(c558.563,420.883) 558.865,420.883 cw(c559.167,420.883) 558.953,421.097 ; 558.865,421.91 558.865,418.347 559.302,417.91 577.865,417.91 ; 558.873,339.262 cw(c558.435,338.824) 559.054,338.824 cw(c559.673,338.824) 559.235,339.262 ; v1@558.913,332.673 ccw(c558.571,332.331) 558.571,332.814 ccw(c558.571,333.297) v1@558.913,332.955 ; v1@558.913,338.416 ccw(c558.571,338.758) 559.054,338.758 ccw(c559.537,338.758) v1@559.195,338.416 ; v1(559.054,338.275) 559.054,339.482 ; v1@559.195,332.673 cw(c559.537,332.331) 559.537,332.814 cw(c559.537,333.297) v1@559.195,332.955 ; 559.281,313.891 558.9,314.272 ; 559.281,314.272 558.8,314.272 ; 559.281,314.653 558.9,314.272 ; 559.281,318.943 559.281,319.325 560.36,320.404 572.861,320.404 573.877,319.388 573.877,318.943 ; 559.281,319.693 ccw(c559.281,320.581) 559.909,319.953 ; 559.631,319.343 cw(c560.432,319.343) 559.866,319.91 ; 559.777,383.723 ccw(c559.563,383.937) 559.865,383.937 ccw(c560.167,383.937) 559.953,383.723 ; 559.777,422.723 ccw(c559.563,422.937) 559.865,422.937 ccw(c560.167,422.937) 559.953,422.723 ; 559.79,384.91 544.865,384.91 ; 559.865,382.91 559.865,385.861 ; 560.016,377.87 cw(c559.578,377.432) 560.197,377.432 cw(c560.816,377.432) 560.378,377.87 ; 560.197,375.994 560.197,378.09 ; 560.197,379.741 560.865,380.409 560.865,382.91 ; 560.197,380.035 ccw(c560.197,380.746) 560.7,380.243 ; 560.453,379.779 cw(c560.98,379.779) 560.608,380.151 ; 560.777,382.097 cw(c560.563,381.883) 560.865,381.883 cw(c561.167,381.883) 560.953,382.097 ; 560.777,422.723 ccw(c560.563,422.937) 560.865,422.937 ccw(c561.167,422.937) 560.953,422.723 ; 561.113,349.653 cw(c560.068,348.609) 561.546,348.609 cw(c563.023,348.609) 561.979,349.653 ; 561.38,373.341 cw(c560.932,372.692) 561.721,372.692 ; 561.54,377.87 cw(c561.102,377.432) 561.721,377.432 cw(c562.34,377.432) 561.902,377.87 ; 561.54,379.96 ccw(c560.754,380.745) 561.865,380.745 ; 561.546,352.626 561.546,352.832 562.618,353.904 ; 561.546,353.238 ccw(c561.546,354.218) 562.239,353.525 ; 561.777,382.097 cw(c561.563,381.883) 561.865,381.883 cw(c562.167,381.883) 561.953,382.097 ; 561.777,422.723 ccw(c561.563,422.937) 561.865,422.937 ccw(c562.167,422.937) 561.953,422.723 ; 561.813,378.09 ccw(c561.813,380.984) 563.86,378.937 ; 561.857,352.648 cw(c562.872,352.719) 562.153,353.439 ; 561.865,379.885 561.865,382.91 ; 561.902,377.908 cw(c562.34,377.47) 562.34,378.09 cw(c562.34,378.709) 561.902,378.271 ; 562.062,373.341 ccw(c562.51,372.692) 561.721,372.692 ; 562.156,352.669 cw(c563.741,352.78) 562.618,353.904 ; 562.537,378.09 ccw(c562.537,380.26) 564.072,378.725 ; v1@562.537,426.413 ccw(c562.054,426.413) 562.396,426.754 ccw(c562.737,427.096) v1@562.737,426.613 ; v1@562.724,384.742 cw(c562.382,384.4) 562.865,384.4 cw(c563.348,384.4) v1@563.006,384.742 ; 562.777,303.604 562.777,308.095 563.245,308.563 590.429,308.563 592.455,310.589 596.265,310.589 596.9,311.224 596.9,330.909 596.392,331.417 589.915,331.417 589.56,331.772 ; 562.777,383.723 ccw(c562.563,383.937) 562.865,383.937 ccw(c563.167,383.937) 562.953,383.723 ; 562.777,422.723 ccw(c562.563,422.937) 562.865,422.937 ccw(c563.167,422.937) 562.953,422.723 ; 562.865,382.91 v1(562.865,384.883) ; 563.261,378.09 ccw(c563.261,379.536) 564.284,378.513 ; 563.346,378.09 cw(c563.346,377.363) 563.86,377.877 ; 563.474,352.626 cw(c561.996,352.626) 563.041,351.581 cw(c564.086,350.536) 564.086,352.014 ; 563.653,349.653 cw(c562.608,348.609) 564.086,348.609 cw(c565.563,348.609) 564.519,349.653 ; 563.777,422.723 ccw(c563.563,422.937) 563.865,422.937 ccw(c564.167,422.937) 563.953,422.723 ; 564.172,378.09 561.721,378.09 561.721,373.835 561.721,372.692 ; 564.777,382.097 cw(c564.563,381.883) 564.865,381.883 cw(c565.167,381.883) 564.953,382.097 ; 564.777,422.723 ccw(c564.563,422.937) 564.865,422.937 ccw(c565.167,422.937) 564.953,422.723 ; 564.865,382.91 564.865,380.724 565.785,379.804 571.5,379.804 571.881,379.423 571.881,376.248 572.516,375.613 581.977,375.613 ; 565.753,327.393 ccw(c565.327,327.82) 565.93,327.82 ccw(c566.534,327.82) 566.107,327.393 ; 565.777,382.097 cw(c565.563,381.883) 565.865,381.883 cw(c566.167,381.883) 565.953,382.097 ; 565.777,421.097 cw(c565.563,420.883) 565.865,420.883 cw(c566.167,420.883) 565.953,421.097 ; 565.865,382.91 565.865,381.248 566.547,380.566 572.135,380.566 572.516,380.185 572.516,377.518 573.024,377.01 581.977,377.01 ; 565.865,417.99 565.865,421.91 ; 565.93,326.235 565.93,326.616 565.93,328.26 566.293,328.623 569.722,328.623 570.611,329.512 570.611,333.005 ; 565.966,417.91 ccw(c565.966,418.806) v1@566.6,418.172 ; 566.014,352.626 cw(c564.536,352.626) 565.581,351.581 cw(c566.626,350.536) 566.626,352.014 ; 566.2,349.646 cw(c565.226,348.641) 566.626,348.641 cw(c568.026,348.641) 567.052,349.646 ; 566.777,382.097 cw(c566.563,381.883) 566.865,381.883 cw(c567.167,381.883) 566.953,382.097 ; 566.865,382.91 566.865,381.518 567.182,381.201 573.024,381.201 573.278,380.947 573.278,378.28 573.659,377.899 v1(587.883,377.899) ; v1@566.883,418.172 ccw(c567.516,418.806) 567.516,417.91 ; 566.999,304.382 ccw(c565.121,306.26) 567.777,306.26 ccw(c570.433,306.26) 568.555,304.382 ; 567.211,304.17 ccw(c565.846,305.535) 567.777,305.535 ccw(c569.708,305.535) 568.343,304.17 ; 567.241,327.392 ccw(c567.021,327.688) 567.39,327.688 ; 567.344,327.171 cw(c567.832,327.38) 567.457,327.755 ; 567.39,326.21 567.39,326.591 567.39,327.688 ; 567.539,327.392 cw(c567.759,327.688) 567.39,327.688 ; 567.596,385.91 ccw(c567.596,388.093) v1@569.14,386.549 ; 567.62,327.289 cw(c568.273,327.567) 567.771,328.069 ; 567.636,332.785 cw(c567.198,332.347) 567.817,332.347 cw(c568.436,332.347) 567.998,332.785 ; 567.636,334.875 ccw(c566.278,336.232) 568.198,336.232 ; 567.777,303.604 567.777,307.715 568.071,308.009 590.658,308.009 592.684,310.035 596.494,310.035 597.454,310.995 597.454,332.154 596.896,332.712 592.989,332.712 ; 567.817,334.656 568.198,335.037 568.198,338.021 570.611,340.434 570.611,342.847 ; 567.848,334.663 ccw(c567.002,335.508) 568.198,335.508 ; 568.32,385.91 ccw(c568.32,387.369) v1@569.352,386.337 ; 568.777,383.723 ccw(c568.563,383.937) 568.865,383.937 ccw(c569.167,383.937) 568.953,383.723 ; 568.865,382.91 568.865,385.815 ; 568.998,386.125 ccw(c569.518,386.645) 569.518,385.91 ; 569.033,332.785 cw(c568.595,332.347) 569.214,332.347 cw(c569.833,332.347) 569.395,332.785 ; 569.033,334.875 ccw(c568.288,335.619) 569.341,335.619 ; 569.045,385.91 ccw(c569.045,386.645) 569.564,386.125 ; 569.2,336.368 cw(c568.858,336.026) 569.341,336.026 cw(c569.824,336.026) 569.482,336.368 ; v1@569.21,386.337 ccw(c570.242,387.369) 570.242,385.91 ; 569.341,334.783 569.341,337.259 ; v1@569.423,386.549 ccw(c570.966,388.093) 570.966,385.91 ; 570.43,332.785 cw(c569.992,332.347) 570.611,332.347 cw(c571.23,332.347) 570.792,332.785 ; 570.43,334.875 ccw(c569.992,335.313) 570.611,335.313 ccw(c571.23,335.313) 570.792,334.875 ; 570.47,336.368 cw(c570.128,336.026) 570.611,336.026 cw(c571.094,336.026) 570.752,336.368 ; 570.47,341.956 cw(c570.128,341.614) 570.611,341.614 cw(c571.094,341.614) 570.752,341.956 ; 570.611,334.656 570.611,337.259 ; 571.388,349.606 cw(c570.62,348.838) 571.706,348.838 cw(c572.792,348.838) 572.024,349.606 ; 571.74,336.368 cw(c571.398,336.026) 571.881,336.026 cw(c572.364,336.026) 572.022,336.368 ; 571.74,343.738 ccw(c571.398,344.08) 571.881,344.08 ccw(c572.364,344.08) 572.022,343.738 ; 571.827,332.785 cw(c571.389,332.347) 572.008,332.347 cw(c572.627,332.347) 572.189,332.785 ; 571.881,334.783 571.881,337.259 ; 571.881,335.619 ccw(c572.934,335.619) 572.189,334.875 ; 571.881,342.847 571.881,345.768 572.262,346.149 581.406,346.149 581.866,346.609 581.866,350.086 ; 572.008,333.005 572.008,328.623 571.454,328.069 567.771,328.069 ; 572.777,303.604 572.777,306.954 573.278,307.455 590.888,307.455 592.914,309.481 596.724,309.481 598.008,310.765 598.008,333.957 597.627,334.338 590.169,334.338 589.56,334.947 589.56,335.697 ; v1@572.883,354.136 cw(c572.541,353.794) 573.024,353.794 cw(c573.507,353.794) v1@573.165,354.136 ; v1@572.883,354.418 ccw(c572.541,354.76) 573.024,354.76 ccw(c573.507,354.76) v1@573.165,354.418 ; v1@572.883,354.771 cw(c572.541,354.429) 573.024,354.429 cw(c573.507,354.429) v1@573.165,354.771 ; 573.01,336.368 cw(c572.668,336.026) 573.151,336.026 cw(c573.634,336.026) 573.292,336.368 ; v1(573.024,354.912) 573.024,351.308 574.246,350.086 ; 573.151,334.91 573.151,337.259 ; 573.151,335.202 ccw(c573.913,335.202) 573.374,334.663 ; 573.151,335.926 ccw(c574.637,335.926) 573.586,334.875 ; 573.201,351.131 ccw(c574.246,352.176) 574.246,350.698 ; 573.224,332.785 cw(c572.786,332.347) 573.405,332.347 cw(c574.024,332.347) 573.586,332.785 ; 573.247,320.018 cw(c572.572,319.343) 573.527,319.343 ; 573.357,319.908 ccw(c573.877,320.428) 573.877,319.693 ; 573.405,333.005 573.405,328.496 573.849,328.052 574.865,328.052 575.002,327.915 575.002,326.616 ; 573.592,350.74 cw(c573.101,350.248) 573.796,350.248 ; 573.713,350.619 ccw(c574.246,351.151) 574.246,350.398 ; 573.777,382.097 cw(c573.563,381.883) 573.865,381.883 cw(c574.167,381.883) 573.953,382.097 ; 573.777,421.097 cw(c573.563,420.883) 573.865,420.883 cw(c574.167,420.883) 573.953,421.097 ; 573.813,353.059 ccw(c572.768,354.104) 574.246,354.104 ccw(c575.723,354.104) 574.679,353.059 ; 573.865,382.91 573.865,379.423 574.373,378.915 581.977,378.915 ; 573.865,417.958 573.865,421.91 ; 574.246,352.626 574.246,354.991 575.056,355.801 589.788,355.801 590.05,356.063 ; 574.28,336.368 cw(c573.938,336.026) 574.421,336.026 cw(c574.904,336.026) 574.562,336.368 ; 574.28,343.738 ccw(c573.938,344.08) 574.421,344.08 ccw(c574.904,344.08) 574.562,343.738 ; v1@574.28,344.103 cw(c573.938,343.761) 574.421,343.761 cw(c574.904,343.761) v1@574.562,344.103 ; 574.421,335.037 574.421,337.259 ; 574.421,335.508 ccw(c575.617,335.508) 574.771,334.663 ; 574.421,336.232 ccw(c576.341,336.232) 574.983,334.875 ; 574.421,342.847 v1(574.421,344.244) ; 574.621,332.785 cw(c574.183,332.347) 574.802,332.347 cw(c575.421,332.347) 574.983,332.785 ; 574.777,382.097 cw(c574.563,381.883) 574.865,381.883 cw(c575.167,381.883) 574.953,382.097 ; 574.802,333.005 574.802,329.893 574.802,328.732 574.929,328.605 575.844,328.605 576.462,327.988 576.462,326.21 ; 574.825,327.393 ccw(c574.398,327.82) 575.002,327.82 ccw(c575.605,327.82) 575.178,327.393 ; 574.865,382.91 574.865,380.63 575.183,380.312 581.977,380.312 ; 575.002,326.235 575.002,326.899 ; 575.55,336.368 cw(c575.208,336.026) 575.691,336.026 cw(c576.174,336.026) 575.832,336.368 ; 575.55,343.738 ccw(c575.208,344.08) 575.691,344.08 ccw(c576.174,344.08) 575.832,343.738 ; v1@575.55,345.119 cw(c575.208,344.777) 575.691,344.777 cw(c576.174,344.777) 575.832,345.119 cw(c576.174,344.777) 576.174,345.26 cw(c576.174,345.743) v1@575.832,345.401 ; 575.691,335.091 ccw(c576.596,335.091) 575.956,334.451 ; 575.691,335.815 ccw(c577.32,335.815) 576.168,334.663 ; 575.691,336.539 ccw(c578.044,336.539) 576.38,334.875 ; 575.691,337.259 575.691,335.164 576.199,334.656 ; 575.691,342.847 v1(575.691,345.26) 582.422,345.26 583.438,346.276 583.438,350.975 583.057,351.356 580.596,351.356 579.326,352.626 ; 575.71,335.144 ccw(c576.18,335.614) 576.194,334.95 ; 575.788,335.066 cw(c575.416,334.694) 575.943,334.694 ; 576.018,332.785 cw(c575.58,332.347) 576.199,332.347 cw(c576.818,332.347) 576.38,332.785 ; 576.174,350.086 ccw(c574.696,350.086) 575.741,351.131 ccw(c576.786,352.176) 576.786,350.698 ; 576.199,333.005 576.199,330.092 576.906,329.385 583.565,329.385 584.073,328.877 584.073,326.235 ; 576.285,327.368 ccw(c575.858,327.795) 576.462,327.795 ccw(c577.065,327.795) 576.638,327.368 ; 576.786,350.086 575.564,351.308 575.564,354.531 575.945,354.912 590.636,354.912 590.636,352.991 ; 576.786,352.014 cw(c576.786,350.536) 577.831,351.581 cw(c578.875,352.626) 577.398,352.626 ; 576.82,336.368 cw(c576.478,336.026) 576.961,336.026 cw(c577.444,336.026) 577.102,336.368 ; 576.961,337.259 576.961,335.608 ; 576.999,304.382 ccw(c575.121,306.26) 577.777,306.26 ccw(c580.433,306.26) 578.555,304.382 ; 577.211,304.17 ccw(c575.846,305.535) 577.777,305.535 ccw(c579.708,305.535) 578.343,304.17 ; 577.34,334.694 ccw(c576.046,334.694) 576.961,335.608 ; 577.415,332.785 cw(c576.977,332.347) 577.596,332.347 cw(c578.215,332.347) 577.777,332.785 ; 577.473,335.096 cw(c577.07,334.694) 577.64,334.694 ; 577.596,333.005 577.596,330.393 577.969,330.02 584.708,330.02 585.533,329.195 585.533,326.21 ; 577.596,334.656 577.596,334.973 576.961,335.608 ; 577.728,385.91 546.735,385.91 ; 577.777,383.723 ccw(c577.563,383.937) 577.865,383.937 ccw(c578.167,383.937) 577.953,383.723 ; 577.777,303.604 577.777,306.447 578.231,306.901 591.117,306.901 593.143,308.927 596.953,308.927 598.562,310.536 598.562,335.227 598.092,335.697 ; 577.865,382.91 577.865,417.91 ; 577.865,386.201 cw(c578.73,386.201) v1@578.118,386.813 ; 577.865,387.707 ccw(c578.73,387.707) v1@578.118,387.096 ; 577.865,412.31 cw(c579.164,412.31) v1@578.245,413.229 ; 577.865,413.035 cw(c578.44,413.035) v1@578.033,413.441 ; 577.865,413.706 ccw(c578.44,413.706) v1@578.033,413.299 ; 577.865,414.43 ccw(c579.164,414.43) v1@578.245,413.512 ; 577.905,399.91 581.865,399.91 585.24,399.91 ; 577.922,390.91 581.865,390.91 ; 577.966,384.91 581.865,384.91 ; 577.97,387.91 581.865,387.91 ; 578.015,408.91 581.865,408.91 ; 578.777,382.097 cw(c578.563,381.883) 578.865,381.883 cw(c579.167,381.883) 578.953,382.097 ; 578.865,382.91 578.865,381.583 579.12,381.328 596.519,381.328 597.432,380.415 597.432,338.886 597.916,338.402 603.123,338.402 603.504,338.021 603.504,317.955 ; 578.893,349.653 cw(c577.848,348.609) 579.326,348.609 cw(c580.803,348.609) 579.759,349.653 ; v1(579.12,344.498) 580.263,344.498 ; v1@579.261,344.357 cw(c579.603,344.015) 579.603,344.498 cw(c579.603,344.981) v1@579.261,344.639 ; 579.326,352.014 cw(c579.326,350.536) 580.371,351.581 cw(c581.415,352.626) 579.938,352.626 ; 579.865,382.91 579.865,382.107 597.264,382.107 597.986,381.385 597.986,339.348 598.297,339.037 606.298,339.037 606.552,338.783 v1(606.552,325.575) ; 579.953,382.273 ccw(c580.355,382.675) 580.355,382.107 ; 580.082,342.749 ccw(c579.644,343.187) 580.263,343.187 ccw(c580.882,343.187) 580.444,342.749 ; 580.199,340.815 v1(581.406,340.815) 581.406,343.482 581.914,343.99 585.216,343.99 585.788,344.562 585.788,349.485 586.769,350.467 ; 580.263,342.657 580.263,344.498 ; 580.444,340.659 cw(c580.821,340.283) 580.821,340.815 ; 580.444,341.022 ccw(c580.943,341.521) 580.943,340.815 ; 581.052,384.822 ccw(c580.838,384.608) 580.838,384.91 ccw(c580.838,385.212) 581.052,384.998 ; 581.052,387.822 ccw(c580.838,387.608) 580.838,387.91 ccw(c580.838,388.212) 581.052,387.998 ; 581.052,390.822 ccw(c580.838,390.608) 580.838,390.91 ccw(c580.838,391.212) 581.052,390.998 ; 581.052,399.822 ccw(c580.838,399.608) 580.838,399.91 ccw(c580.838,400.212) 581.052,399.998 ; 581.052,408.822 ccw(c580.838,408.608) 580.838,408.91 ccw(c580.838,409.212) 581.052,408.998 ; 581.052,417.822 ccw(c580.838,417.608) 580.838,417.91 ccw(c580.838,418.212) 581.052,417.998 ; v1@581.265,340.674 ccw(c580.923,340.332) 580.923,340.815 ccw(c580.923,341.298) 581.265,340.956 ccw(c580.923,341.298) 581.406,341.298 ccw(c581.889,341.298) v1@581.547,340.956 ; 581.433,349.653 cw(c580.388,348.609) 581.866,348.609 cw(c583.343,348.609) 582.299,349.653 ; 581.758,375.432 ccw(c581.32,374.994) 581.32,375.613 ccw(c581.32,376.232) 581.758,375.794 ; 581.758,376.829 ccw(c581.32,376.391) 581.32,377.01 ccw(c581.32,377.629) 581.758,377.191 ; 581.758,378.734 ccw(c581.32,378.296) 581.32,378.915 ccw(c581.32,379.534) 581.758,379.096 ; 581.758,380.131 ccw(c581.32,379.693) 581.32,380.312 ccw(c581.32,380.931) 581.758,380.493 ; 581.865,385.91 597.652,385.91 598.54,385.022 598.54,341.035 599.314,340.261 600.837,340.261 601.137,340.261 601.737,340.261 601.956,340.261 602.256,340.261 602.856,340.261 603.456,340.261 603.456,339.661 604.056,339.661 604.056,340.261 606.171,340.261 608.884,340.261 609.173,339.972 609.173,315.969 609.646,315.496 611.813,315.496 612.144,315.165 612.144,310.585 ; 581.865,386.91 598.557,386.91 599.094,386.373 599.094,341.301 599.58,340.815 601.345,340.815 601.645,340.815 602.245,340.815 602.556,340.815 602.856,340.815 603.456,340.815 603.456,341.415 604.056,341.415 604.056,340.815 604.656,340.815 604.656,341.415 605.256,341.415 605.256,340.815 605.917,340.815 609.219,340.815 609.727,340.307 609.727,316.812 610.362,316.177 612.648,316.177 613.414,315.411 613.414,313.125 ; 581.865,388.91 598.589,388.91 599.648,387.851 599.648,342.639 600.202,342.085 607.06,342.085 v1(607.568,341.577) ; 581.865,389.91 599.24,389.91 600.202,388.948 600.202,343.482 600.71,342.974 601.853,342.974 602.153,342.974 602.153,343.65 602.753,343.65 602.753,342.974 604.139,342.974 605.79,342.974 607.568,342.974 v1(608.33,342.212) ; 581.865,406.91 584.145,406.91 584.454,406.601 584.454,405.204 584.835,404.823 586.613,404.823 ; 581.865,407.91 583.985,407.91 584.454,408.379 584.454,409.522 584.835,409.903 586.613,409.903 ; 581.865,417.91 577.865,417.91 ; 581.866,352.626 583.692,352.626 584.2,352.118 584.2,345.006 583.738,344.544 580.309,344.544 580.263,344.498 ; 582.299,352.193 cw(c583.343,351.149) 583.343,352.626 cw(c583.343,354.104) 582.299,353.059 ; 582.678,385.822 cw(c582.892,385.608) 582.892,385.91 cw(c582.892,386.212) 582.678,385.998 ; 582.678,386.822 cw(c582.892,386.608) 582.892,386.91 cw(c582.892,387.212) 582.678,386.998 ; 582.678,388.822 cw(c582.892,388.608) 582.892,388.91 cw(c582.892,389.212) 582.678,388.998 ; 582.678,389.822 cw(c582.892,389.608) 582.892,389.91 cw(c582.892,390.212) 582.678,389.998 ; 582.678,399.822 cw(c582.892,399.608) 582.892,399.91 cw(c582.892,400.212) 582.678,399.998 ; 582.678,406.822 cw(c582.892,406.608) 582.892,406.91 cw(c582.892,407.212) 582.678,406.998 ; 582.678,407.822 cw(c582.892,407.608) 582.892,407.91 cw(c582.892,408.212) 582.678,407.998 ; 582.777,303.604 582.777,305.94 583.184,306.347 591.347,306.347 593.373,308.373 597.183,308.373 599.116,310.306 599.116,336.751 598.608,337.259 589.915,337.259 589.56,337.614 ; 583.629,378.915 589.661,378.915 590.05,378.526 590.05,356.436 ; 583.629,380.312 589.915,380.312 590.677,379.55 590.677,355.547 ; 583.848,378.734 cw(c584.286,378.296) 584.286,378.915 cw(c584.286,379.534) 583.848,379.096 ; 583.848,380.131 cw(c584.286,379.693) 584.286,380.312 cw(c584.286,380.931) 583.848,380.493 ; 583.896,327.393 ccw(c583.469,327.82) 584.073,327.82 ccw(c584.677,327.82) 584.25,327.393 ; 584.526,399.91 cw(c584.526,399.154) 585.06,399.689 ; v1(584.711,312.243) 586.427,312.243 ; 584.719,399.91 ccw(c584.719,400.392) 585.06,400.051 ; v1@584.852,312.101 cw(c585.194,311.76) 585.194,312.243 cw(c585.194,312.726) v1@584.852,312.384 ; 585.356,327.368 ccw(c584.929,327.795) 585.533,327.795 ccw(c586.137,327.795) 585.71,327.368 ; 585.625,404.505 ccw(c584.857,403.737) 584.857,404.823 ccw(c584.857,405.909) 585.625,405.141 ; 585.625,409.585 ccw(c584.857,408.817) 584.857,409.903 ccw(c584.857,410.989) 585.625,410.221 ; 586.18,311.995 ccw(c585.582,311.398) 585.582,312.243 ccw(c585.582,313.088) 586.18,312.49 ; 586.579,350.277 ccw(c586.135,350.721) 586.763,350.721 ; 586.588,350.286 cw(c587.019,349.855) 587.019,350.465 ; 586.613,407.363 588.391,407.363 588.772,406.982 588.772,400.124 588.518,399.87 586.93,399.87 ; 587.15,399.689 cw(c587.588,399.251) 587.588,399.87 cw(c587.588,400.489) 587.15,400.051 ; 587.261,304.576 ccw(c586.807,305.433) 587.777,305.433 ; 587.402,304.311 ccw(c587.071,304.934) 587.777,304.934 ccw(c588.483,304.934) 588.152,304.311 ; 587.601,407.045 cw(c588.369,406.277) 588.369,407.363 cw(c588.369,408.449) 587.601,407.681 ; v1@587.742,377.758 ccw(c587.4,377.416) 587.4,377.899 ccw(c587.4,378.382) v1@587.742,378.04 ; 587.777,303.604 587.777,305.433 ; 588.293,304.576 cw(c588.747,305.433) 587.777,305.433 ; v1@588.82,390.678 611.632,390.678 612.219,390.678 612.521,390.98 612.521,393.33 ; v1@588.913,390.585 cw(c589.138,390.36) 589.138,390.678 ; v1@588.913,390.867 ccw(c589.372,391.326) 589.372,390.678 ; 589.248,338.169 cw(c588.911,337.614) 589.56,337.614 ; 589.307,332.168 cw(c589.123,331.772) 589.56,331.772 ; v1@589.52,355.66 ccw(c589.178,355.318) 589.178,355.801 ccw(c589.178,356.284) v1@589.52,355.942 ; v1@589.526,355.92 589.534,355.92 590.05,356.436 ; 589.56,332.712 589.56,331.772 ; 589.56,338.681 589.56,337.614 ; v1@589.646,356 ccw(c589.613,356.436) 590.05,356.436 ; v1@589.669,355.701 ccw(c589.638,356.113) 590.05,356.113 ; v1@589.727,355.99 ccw(c589.83,356.283) 590.05,356.063 ; 589.813,332.168 ccw(c589.996,331.772) 589.56,331.772 ; v1@589.858,355.834 cw(c590.536,355.95) 590.05,356.436 ; 589.872,338.169 ccw(c590.209,337.614) 589.56,337.614 ; 590.636,354.277 590.636,354.445 590.169,354.912 590.677,355.42 590.677,355.547 ; 590.677,354.912 590.677,355.547 ; 592.989,335.697 598.092,335.697 ; 592.989,338.681 594.208,338.681 ; 593.413,332.288 cw(c594.437,331.264) 594.437,332.712 cw(c594.437,334.161) 593.413,333.137 ; 593.413,335.273 cw(c594.437,334.248) 594.437,335.697 cw(c594.437,337.145) 593.413,336.121 ; 593.464,338.316 cw(c594.208,337.744) 594.208,338.681 ; 593.464,339.047 ccw(c594.208,339.619) 594.208,338.681 ; v1@593.584,392.518 ccw(c593.242,392.86) 593.725,392.86 ccw(c594.208,392.86) v1@593.866,392.518 ; v1(593.725,392.377) 593.725,403.807 594.289,404.371 596.436,404.371 ; 594.409,393.483 cw(c594.586,393.185) 594.831,393.43 ; v1@594.563,393.225 cw(c594.79,392.844) 595.103,393.158 ; 594.574,393.687 cw(c594.175,393.289) v1@594.709,393.107 ; v1@594.727,332.571 ccw(c594.385,332.23) 594.385,332.712 ccw(c594.385,333.195) v1@594.727,332.854 ; v1@594.73,393.302 cw(c595.067,393.774) 594.487,393.774 ; v1@594.755,392.998 cw(c595.097,392.656) 595.097,393.139 cw(c595.097,393.622) v1@594.755,393.28 ; v1@595.009,332.571 cw(c595.351,332.23) 595.351,332.712 cw(c595.351,333.195) v1@595.009,332.854 ; 595.376,393.139 595.122,393.139 594.487,393.774 ; 595.429,394.844 ccw(c594.991,395.282) 595.611,395.282 ccw(c596.23,395.282) 595.792,394.844 ; v1@595.489,395.411 cw(c595.194,395.116) 595.611,395.116 ; v1@595.489,395.693 ccw(c595.194,395.988) 595.611,395.988 ; 595.611,394.663 595.611,399.945 596.436,400.771 ; 595.611,395.022 cw(c596.16,395.022) v1@595.771,395.411 ; 595.611,396.082 ccw(c596.16,396.082) v1@595.771,395.693 ; 595.768,402.253 ccw(c595,401.485) 595,402.571 ccw(c595,403.657) 595.768,402.889 ; 595.768,404.053 ccw(c595,403.285) 595,404.371 ccw(c595,405.457) 595.768,404.689 ; 596.436,402.571 594.902,402.571 594.487,402.156 594.487,393.774 ; 597.154,335.697 ccw(c597.154,336.31) v1@597.588,335.876 ; 597.262,394.663 599.44,394.663 ; 597.338,335.697 cw(c597.338,335.344) v1@597.588,335.594 ; 597.481,394.482 cw(c597.919,394.044) 597.919,394.663 cw(c597.919,395.282) 597.481,394.844 ; v1@597.844,335.571 cw(c598.027,335.307) 598.254,335.535 ; v1@597.878,335.601 cw(c598.092,335.409) 598.092,335.697 ; v1@597.913,335.815 ccw(c598.092,335.893) 598.092,335.697 ; 598.968,396.203 cw(c598.2,395.435) 599.286,395.435 cw(c600.372,395.435) 599.604,396.203 ; 599.142,308.151 cw(c599.712,308.151) 599.309,308.553 ; 599.186,308.407 ccw(c599.186,309.118) 599.689,308.615 ; 599.286,396.871 599.286,394.817 599.44,394.663 ; 599.319,306.719 ccw(c599.532,307.068) 599.821,306.779 ; 599.334,393.033 ccw(c599.078,392.777) 599.078,393.139 ccw(c599.078,393.501) 599.334,393.245 ; 599.367,306.28 cw(c599.805,305.842) 599.805,306.462 cw(c599.805,307.081) 599.367,306.643